# Altium PCB ie-track-kit-arduino-1-V11.PcbDoc (part 2 of 3)
Units mm, origin at the board's own origin, x right, y up, seen from the top; angles counter-clockwise.
Board outline 115 x 212.3 mm, 2 copper layers (Top Layer, Bottom Layer), stack 1.571 mm thick; 284 components, 206 nets, 1109 pads, 538 vias.
Unrouted connection lines stored in the file: 1.
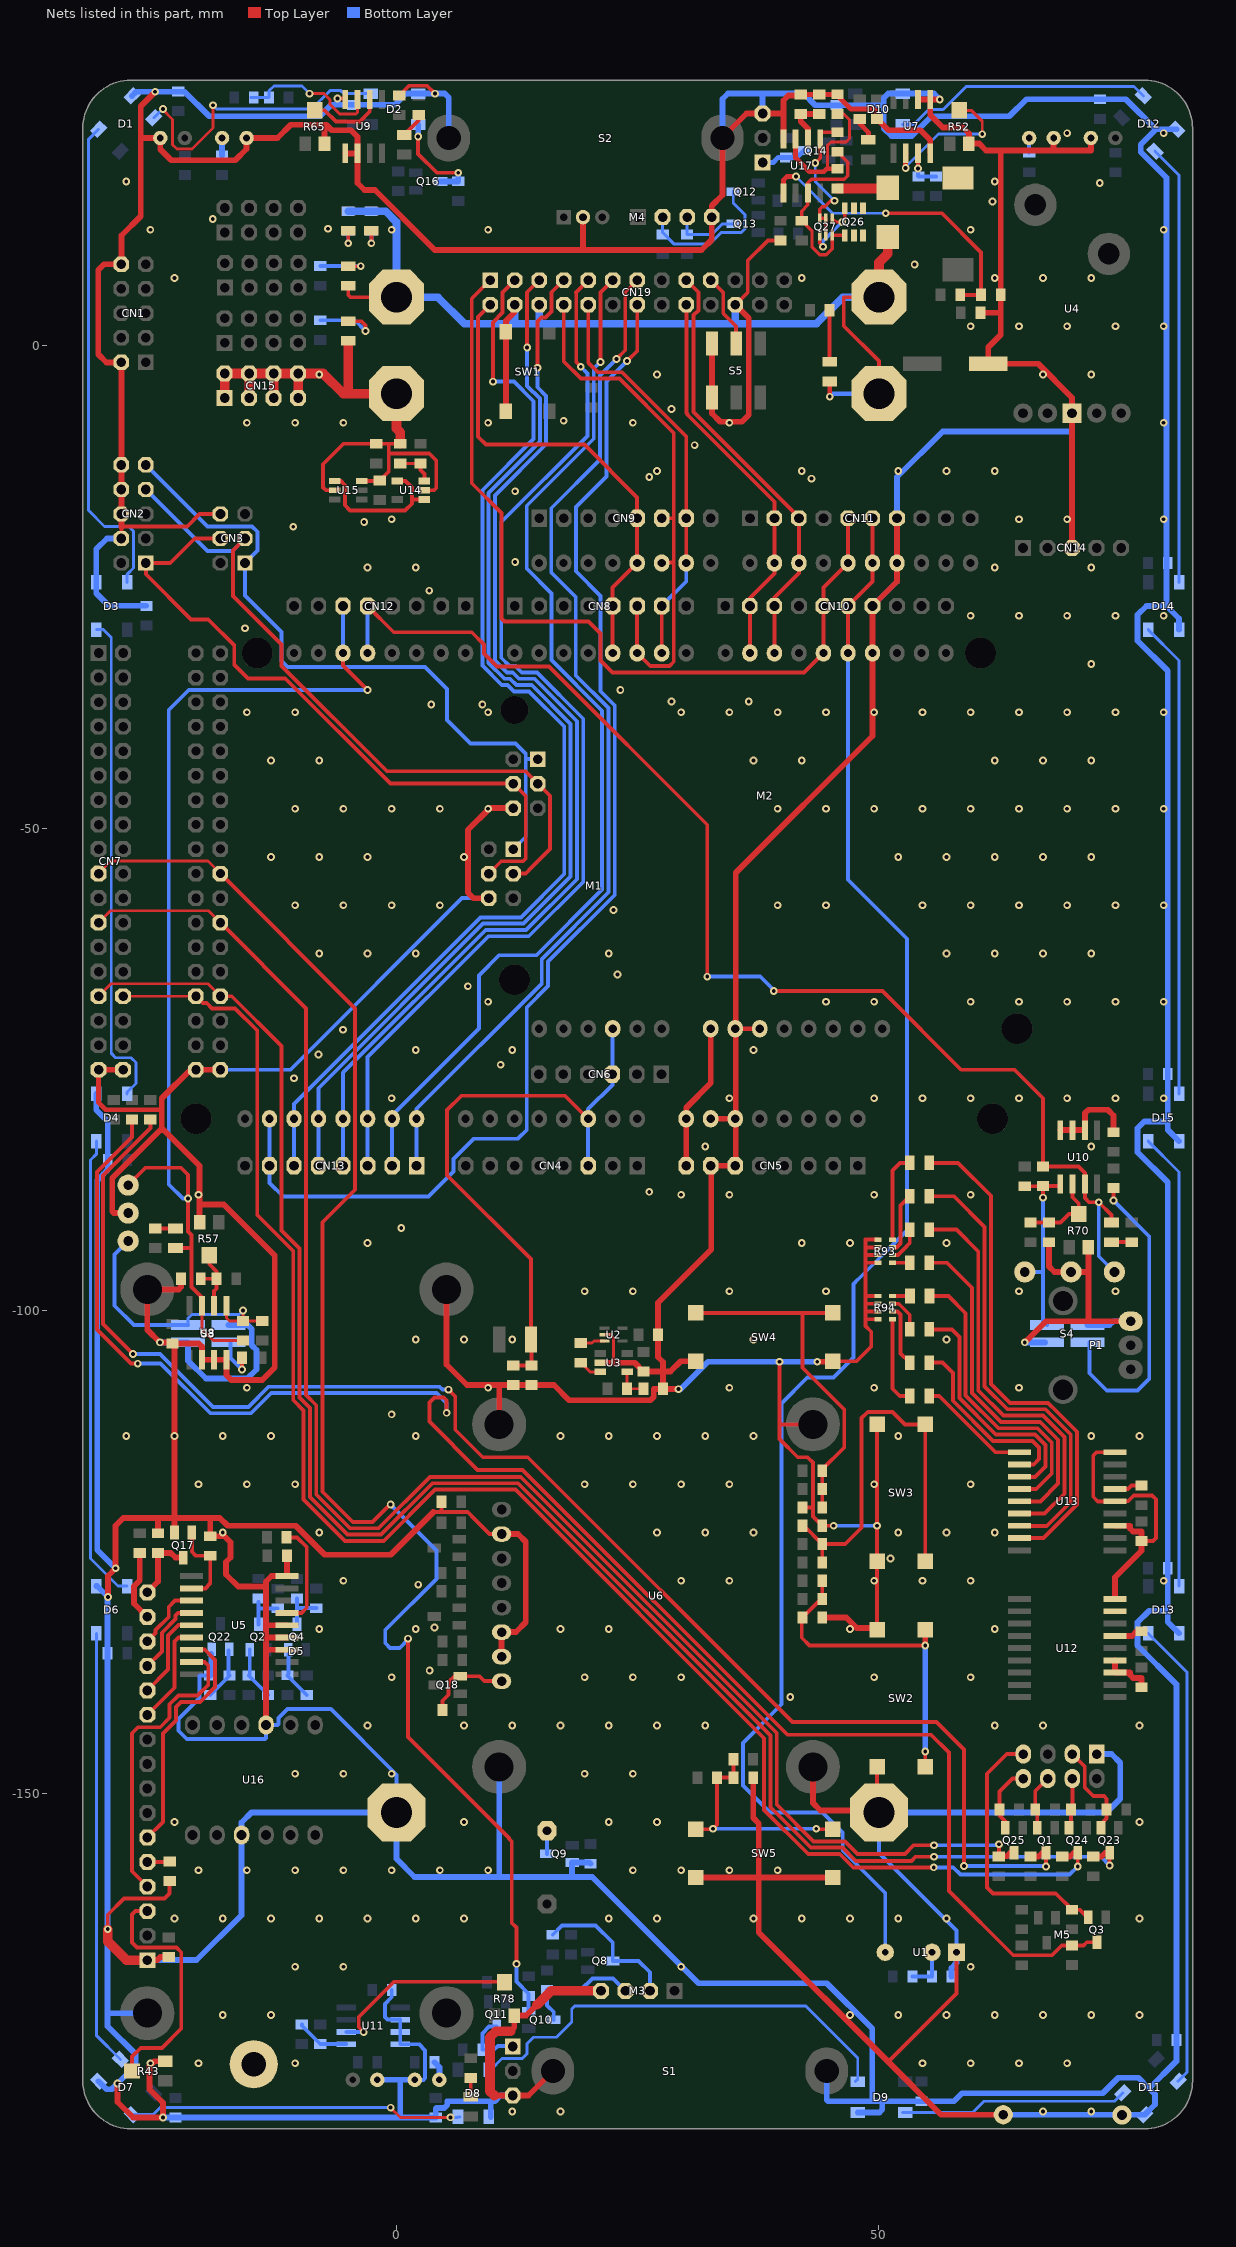
[diagram p2: the nets of this part, all layers, seen from the top]

## Via types
v1: diameter 0.8, hole 0.4, Top Layer to Bottom Layer, tented both sides, 538 vias

## Nets (pads, with @x,y where several pads share a name; then routed paths per layer and width w, separated by ;. In a path a pad name is that pad's centre, name@x,y a point inside that pad or via, vN(x,y) a via of type N, cw(c..) or ccw(c..) an arc to the next point about the centre after c; other vN are vias at no path point) (continued)
ECHO_R: CN7.19 M1.D38 Q10.2 R28.1 | length 159.3
  Top Layer w0.3: CN7.19@-30.864,-54.73 -29.566,-53.432 -19.533,-53.432 M1.D38@-18.235,-54.73
  Top Layer w0.4: M1.D38@-18.235,-54.73 -4.281,-68.684 -4.281,-87.481 -7.646,-90.846 -7.646,-109.531 -7.654,-109.539 -7.654,-118.779 -4.525,-121.908 -2.484,-121.908 -0.676,-120.1 v1(-0.6,-120.1) ; v1(1.2,-134) 1.2,-144.2 11.654,-154.654 11.654,-154.729 11.954,-155.029 11.954,-163.466 12.432,-163.945 v1(12.432,-167.7)
  Bottom Layer w0.4: v1(-0.6,-120.1) 4.146,-124.846 4.146,-127.802 -1.154,-133.102 -1.154,-134.454 -0.654,-134.954 0.346,-134.954 1.2,-134.1 v1(1.2,-134) ; v1(12.432,-167.7) 12.432,-169.532 13.7,-170.8 R28.1@13.7,-171.016 Q10.2@13.7,-172.6
EN_LEFT: CN10.3 CN11.3 CN19.17 M1.D10 M2.D10 | length 44.9
  Top Layer w0.4: CN19.17@30.04,6.77 31.294,5.516 31.294,3.642 30.8,3.148 30.8,-6.9 41.709,-17.809 CN11.3@41.709,-17.9 M2.D10@41.709,-22.54 41.709,-23.591 39.169,-26.131 CN10.3@39.169,-27 M1.D10@39.169,-31.87
EN_RIGHT: CN10.2 CN11.2 CN19.18 M1.D9 M2.D9 | length 40.9
  Top Layer w0.4: CN19.18@30.04,4.23 30.04,-7 30.146,-7.106 30.146,-7.171 39.169,-16.194 CN11.2@39.169,-17.9 M2.D9@39.169,-22.54 39.169,-23.631 36.629,-26.171 CN10.2@36.629,-27 M1.D9@36.629,-31.87
ENC_LEFT_TRACK: CN12.6 D18.2 M1.D19 R64.2 T2.0 U8.7 | length 113.2
  Top Layer w0.3: U8.7@-20.162,-99.506 -20.162,-101.938 -18.984,-103.116 R64.2@-15.9,-103.116
  Top Layer w0.4: T2.0@-27.8,-87 -26,-85.2 -22.33,-85.2 -21.6,-85.93 v1(-21.6,-88.4) -21.6,-91.8 -21.246,-92.154 -21.246,-93.564 ; D18.2@-22.9,-93.516 -21.294,-93.516 -21.246,-93.564 ; U8.7@-20.162,-99.506 -20.162,-98.638 -21.246,-97.554 -21.246,-93.564 ; M1.D19@-5.535,-31.87 -5.535,-33.161 v1(-3,-35.696)
  Bottom Layer w0.4: v1(-21.6,-88.4) -22.127,-88.4 -23.6,-86.927 -23.6,-72.375 -23.6,-37.771 -21.525,-35.696 v1(-3,-35.696) ; M1.D19@-5.535,-31.87 CN12.6@-5.535,-27
ENC_RIGHT_TRACK: CN12.5 D21.2 M1.D18 R76.2 T5.0 U10.7 | length 132.2
  Top Layer w0.4: CN12.5@-2.995,-27 -0.279,-29.716 7.809,-29.716 9.073,-30.98 9.073,-31.928 10.416,-33.271 15.803,-33.271 32.2,-49.668 v1(32.2,-65.4) ; v1(39.1,-66.9) 50.369,-66.9 58.519,-75.05 64.05,-75.05 67,-78 R76.2@67,-85.068 70.668,-85.068 71.335,-85.735 U10.7@71.335,-86.894 71.335,-88.343 71.771,-88.779 v1(72.779,-88.779) 74.1,-90.1 D21.2@74.1,-90.884
  Bottom Layer w0.4: M1.D18@-2.995,-31.87 CN12.5@-2.995,-27 ; v1(32.2,-65.4) 37.7,-65.4 v1@39.1,-66.8 ; v1(72.779,-88.779) 72.779,-94.379 T5.0@74.4,-96
FB_3V3: R106.1 R108.1 U17.5 | length 31.9
  Top Layer w0.4: v1(50.7,13.7) 56.533,13.7 60.584,9.649 R108.1@60.584,5.25 R106.1@58.416,5.25
  Top Layer w0.5: U17.5@40.095,15.806 40.095,17.145 40.45,17.5 v1(41.4,17.5)
  Bottom Layer w0.3: v1(41.4,17.5) 45.2,13.7 50.5,13.7 v1@50.7,13.9
GND: C1.1 C2.2 C3.1 C4.1 C5.2 C6.2 C7.1 C8.2 C9.1 C10.1 C11.2 C12.1 C13.1 C14.2 C15.1 C16.1 C17.1 C18.2 C19.2 C20.1 C21.1 C22.2 C23.2 C24.2 C25.2 C26.2 C27.1 C28.1 C29.1 C30.1 C31.1 C32.1 C33.2 C35.2 C36.2 C37.1 C38.1 C39.1 C40.1 CN1.2 CN1.10 CN2.4 CN2.6 CN2.8 CN2.10 CN3.6 CN5.6 CN5.7 CN7.35 CN7.36 CN10.7 CN11.7 CN14.3 CN15.1 CN15.2 CN15.3 CN15.4 CN15.5 CN15.6 CN15.7 CN15.8 CN19.4 CN19.6 CN19.22 D1.3 D2.3 D3.3 D4.3 D5.1 D6.3 D7.3 D8.3 D9.3 D10.3 D11.3 D12.3 D13.3 D14.3 D15.3 D17.2 D20.2 D23.2 D32.1 D35.2 D36.2 D37.2 M1.GND M1.P6 M1.P7 M1.PROG6 M2.GND M2.P6 M2.P7 M2.PROG6 M3.4 M4.6 M5.1 M5.9 M5.10 MH1.1 MH2.1 MH3.1 MH4.1 MH5.1 MH6.1 P1.3 pad.M3 Q9.2 Q17.2 Q19.1 Q20.1 Q21.1 Q22.2 R27.2 R38.2 R39.2 R43.2 R44.1 R47.2 R48.2 R52.2 R57.2 R61.2 R65.2 R70.2 R75.2 R78.2 R93.1 R93.2 R93.3 R93.4 R94.1 R94.2 R94.3 R94.4 R96.2 R97.2 R108.2 R109.2 R112.2 R113.2 S1.3 S2.3 S3.2 S3.4 S4.2 S4.4 S5.3 S5.6 SW1.1 SW2.2 SW3.2 SW4.2 SW5.2 T3.0 T6.0 U1.1 U2.2 U3.2 U4.1 U5.3 U5.4 U5.5 U5.9 U6.2 U6.6 U6.7 U7.4 U7.5 U7.6 U8.2 U8.3 U8.4 U9.4 U9.5 U9.6 U10.2 U10.3 U10.4 U11.2 U11.3 U11.4 U12.3 U12.4 U12.9 U13.3 U13.5 U13.9 U14.2 U15.2 U15.6 U16.4 U17.4 | length 2101.4
  Top Layer w0.3: U2.2@21.575,-102.5 22.171,-102.5 22.5,-102.829 22.5,-105.4
  Top Layer w0.4: v1(-29.912,-164.1) -29.912,-162.612 -28.24,-160.94 -24.04,-160.94 -23.5,-160.4 R44.1@-23.5,-159.119 ; CN2.4@-28.5,-20 -28.5,-18.8 -28.446,-18.746 -21.676,-18.746 -20.39,-17.46 CN3.6@-18.235,-17.46 ; U15.2@-6.4,-15 -7.3,-15 -7.6,-14.7 -7.6,-12.3 -5.484,-10.184 C35.2@-2.1,-10.184 R96.2@0.4,-10.184 ; v1(-6.1,25.6) -5.411,25.6 U9.4@-5.305,25.494 ; D36.2@-5,6.184 -5,5.223 -4.777,5 MH6.1@0,5 ; U15.6@-3.6,-14.05 -1.807,-14.05 C33.2@-1.741,-13.984 -0.8,-13.043 -0.8,-11.2 ; -0.8,-10.325 -0.8,-11.2 ; C24.2@0.3,25.916 1.303,26.919 3.181,26.919 v1(4,26.1) ; U14.2@2.9,-15 3.9,-15 4.13,-14.77 4.13,-11.93 3.4,-11.2 -0.8,-11.2 ; 3.811,-120.889 4.684,-120.889 ; C17.1@4.684,-119.8 4.684,-120.889 ; U6.2@10.9,-123.16 9.652,-123.16 8.146,-121.654 8.146,-121.645 7.39,-120.889 4.684,-120.889 ; CN19.22@35.12,4.23 36.4,5.51 36.4,8.8 38.484,10.884 C38.1@39.8,10.884 ; v1(39.7,-105.3) 39.7,-111.8 ; C31.1@42.084,-120.4 43.154,-120.4 ; 43.15,-111.79 39.71,-111.79 39.7,-111.8 ; SW4.2@45.2,-105.25 47.662,-105.25 49.2,-103.712 49.2,-102.2 48.6,-101.6 48.6,-100.9 ; v1(45.3,-122.3) C28.1@44.116,-122.3 43.154,-121.338 43.154,-120.4 ; 48.654,-95.046 49.894,-95.046 R93.4@49.898,-95.05 ; SW3.2@49.754,-111.744 SW3.2@49.8,-111.79 SW2.2@49.8,-133.09 ; MH2.1@49.8,-151.8 SW2.2@49.8,-147.29 ; R94.4@49.898,-100.9 48.6,-100.9 ; R94.3@49.898,-100.1 48.6,-100.1 ; R94.2@49.898,-99.3 48.6,-99.3 ; R94.1@49.898,-98.5 48.6,-98.5 ; R93.3@49.898,-94.25 48.6,-94.25 ; R93.2@49.898,-93.45 48.6,-93.45 ; R93.1@49.898,-92.65 48.6,-92.65 48.6,-93.45 ; MH3.1@50,-5 50,-1.616 46.35,2.034 46.35,5 MH4.1@50,5 ; 50.95,-177.85 58.04,-170.76 U1.1@58.04,-166.5 ; U13.5@74.453,-119.77 72.67,-119.77 72.2,-119.3 72.2,-115.04 72.55,-114.69 U13.9@74.453,-114.69 ; U13.5@74.453,-119.76 75.8,-119.76 76.4,-119.16 78.3,-119.16 78.7,-119.56 78.7,-123.56 78.384,-123.876 C29.1@77.2,-123.876 ; 39.7,-111.8 39.7,-113.315 41.585,-115.2 42.6,-115.2 43.154,-115.754 43.154,-120.4 ; 48.6,-100.9 48.6,-100.1 ; 48.6,-100.1 48.6,-99.3 ; 48.6,-99.3 48.6,-98.5 ; 48.6,-98.5 48.6,-94.25 ; 48.6,-94.25 48.6,-93.45
  Top Layer w0.5: CN7.35@-30.864,-75.05 -30.864,-78.476 -30.144,-79.196 -29.904,-79.196 -29.9,-79.2 -24.311,-79.2 ; M2.P7@35.105,-70.8 35.16,-70.8 M2.P6@37.645,-70.8 ; R109.2@41.9,26.016 C40.1@43.8,26.016 45.8,26.016 45.8,25.8 47.1,24.5 49.5,24.5 49.8,24.2 C22.2@49.8,23.484 ; v1(44.9,-5.3) D37.2@44.9,-3.716
  Top Layer w0.6: CN7.35@-30.864,-75.05 CN7.36@-28.324,-75.05 ; v1(-29.9,-129.686) -29.9,-127.5 v1(-29.1,-126.7) -29.1,-122.3 -28.3,-121.5 -24.8,-121.5 ; v1(-28.9,-180.1) -28.9,-182 -27.284,-183.616 v1(-24.2,-183.616) -24.2,-182.1 -25.6,-180.7 -25.6,-178.3 -25.1,-177.8 R43.2@-23.95,-177.8 ; -28.5,-18.8 CN2.6@-28.5,-17.46 CN2.8@-28.5,-14.92 CN2.10@-28.5,-12.38 -28.5,-1.766 CN1.2@-28.516,-1.75 ; CN1.2@-28.5,-1.75 CN1.2@-28.516,-1.75 ; T3.0@-27.8,-89.9 -29.3,-89.9 -29.454,-89.746 -29.454,-86.272 -24.471,-81.289 -24.311,-81.289 ; D5.1@-25.816,-167.306 -24.776,-167.306 -24.47,-167 C9.1@-23.6,-167 ; v1(-25,26.3) -26.5,24.8 -26.5,21.5 ; R47.2@-24.7,-123.084 -24.7,-121.6 -24.8,-121.5 ; Q17.2@-23,-123 -23,-121.5 ; R61.2@-22.316,-96.7 -22.316,-97.554 -22.568,-97.806 -25.816,-97.806 -25.816,-101.984 v1(-24.5,-103.3) -23.316,-103.3 C23.2@-23.2,-103.416 ; R57.2@-20.527,-90.625 -20.4,-90.498 -20.4,-89 ; M1.GND@-18.235,-75.05 M1.GND@-20.775,-75.05 -21.35,-75.05 -24.311,-78.011 -24.311,-79.2 -24.311,-81.089 -20.4,-85 -20.4,-89 ; U16.4@-13.511,-142.941 -13.511,-135.2 ; U5.3@-11.347,-135.14 -13.451,-135.14 -13.511,-135.2 ; U5.4@-11.347,-133.87 -13.511,-133.87 ; U5.5@-11.347,-132.6 -13.511,-132.6 ; C12.1@-11.347,-125.4 U5.9@-11.347,-127.52 -12.952,-127.52 -13.511,-128.079 -13.511,-128.7 ; R65.2@-7.452,20.919 -7.452,22.686 -7.269,22.869 ; U9.5@-5.305,19.906 U9.6@-4.035,19.906 ; 3.811,-120.889 -0.6,-125.3 -7.434,-125.3 -10.423,-122.311 -17.489,-122.311 -18.3,-121.5 -19.3,-121.5 ; 5.184,-97.806 5.184,-105.584 7.316,-107.716 10.7,-107.716 ; M1.PROG6@9.578,-57.27 7.99,-57.27 7.4,-56.68 7.4,-50.2 9.66,-47.94 M2.PROG6@12.118,-47.94 ; 10.14,-181.34 S1.3@12.054,-181.34 13.675,-181.34 16.215,-178.8 ; 10.65,-111.79 10.65,-107.766 10.7,-107.716 ; U6.7@10.9,-135.86 U6.6@10.9,-133.32 12.38,-133.32 13.4,-132.3 13.4,-123.96 12.6,-123.16 U6.2@10.9,-123.16 ; SW1.1@11.35,-6.825 SW1.1@11.35,1.425 11.35,2.571 12.26,3.481 CN19.4@12.26,4.23 ; 11.82,-174.68 12.2,-174.3 R78.2@12.2,-173.05 13.45,-173.05 14.55,-171.95 ; M4.6@19.333,13.3 19.333,9.9 ; U3.2@21.1,-105.4 22.5,-105.4 24.684,-105.4 C3.1@25.6,-106.316 27.632,-106.316 ; v1(29.222,-108.144) R39.2@27.588,-108.144 ; SW5.2@31,-158.75 37.546,-158.75 ; SW4.2@31,-105.25 29.45,-105.25 28.384,-106.316 27.632,-106.316 ; M1.P7@32.565,-80.13 M1.P6@35.105,-80.13 M1.P6@35.16,-80.13 ; S5.6@32.7,0.2 S5.3@32.7,-5.4 32.7,-7.055 33.545,-7.9 35.8,-7.9 36.5,-7.2 36.5,2.85 CN19.22@35.12,4.23 ; C32.1@36.97,-148.4 36.97,-152.57 37.546,-153.146 37.546,-158.75 ; U17.4@40.095,21.394 40.095,24.2 ; R109.2@41.9,26.016 41.784,25.9 40.6,25.9 40.095,25.395 40.095,24.2 ; 43.15,-147.29 43.15,-151 43.95,-151.8 MH2.1@49.8,-151.8 ; v1(43.6,-105.3) 45.15,-105.3 SW4.2@45.2,-105.25 ; C27.1@44.116,-131.8 46.6,-131.8 47.7,-132.9 49.61,-132.9 SW2.2@49.8,-133.09 ; SW5.2@45.2,-158.75 37.546,-158.75 ; SW3.2@49.69,-126.1 SW3.2@49.8,-125.99 ; C22.2@49.8,23.484 50.984,22.3 54.3,22.3 55.305,21.295 U7.4@55.305,19.906 ; CN11.7@51.869,-17.9 M2.GND@51.869,-22.54 51.869,-24.46 CN10.7@49.329,-27 M1.GND@49.329,-31.87 49.329,-40.471 35.16,-54.64 35.16,-70.8 M1.P6@35.16,-80.13 ; U7.6@54.035,25.494 U7.5@55.305,25.494 ; v1(56.294,25.494) U7.5@55.305,25.494 ; C37.1@60.516,3.4 62.546,3.4 62.616,3.33 ; M5.9@62.88,-183.335 56.435,-183.335 50.95,-177.85 37.546,-164.446 37.546,-158.75 ; v1(65.1,-103.3) 67.3,-101.1 71.6,-101.1 ; 67.6,-95.4 68.2,-96 71.7,-96 ; 67.62,-95.38 R75.2@67.62,-92.916 ; D17.2@68.1,21.5 68.1,20.196 ; U10.4@68.795,-81.306 U10.3@70.065,-81.306 U10.2@71.335,-81.306 71.335,-79.565 71.7,-79.2 73.7,-79.2 74.3,-79.8 C25.2@74.3,-81.519 ; CN14.3@70.01,-20.98 U4.1@70.01,-7.01 70.01,-5.41 66.5,-1.9 C36.2@61.329,-1.9 61.329,-0.171 62.616,1.116 62.616,3.33 ; R70.2@71.7,-93.45 71.7,-96 ; Q19.1@71.96,21.5 71.96,20.196 68.1,20.196 ; U12.4@74.453,-136.25 U12.3@74.453,-137.52 76.011,-137.52 76.011,-137.737 76.336,-138.062 77.2,-138.062 C30.1@77.2,-139.032 ; U12.9@74.453,-129.9 74.453,-127.647 77.2,-124.9 C29.1@77.2,-123.876 77.2,-122.906 76.336,-122.906 76.011,-122.581 76.011,-122.3 U13.3@74.453,-122.3 ; P1.3@76.08,-101.1 71.6,-101.1 ; CN1.2@-28.516,-1.75 -30.05,-1.75 -30.9,-0.9 -30.9,7.81 -30.3,8.41 CN1.10@-28.5,8.41 -28.5,11.4 -26.5,13.4 -26.5,21.5 ; -26.5,21.5 Q20.1@-24.47,21.5 -24.47,20.338 -23.332,19.2 -16.7,19.2 -15.53,20.37 D20.2@-15.53,21.5 -12.316,21.5 -10.947,22.869 -7.269,22.869 ; -24.8,-121.5 -23,-121.5 ; C23.2@-23.2,-103.416 -23,-103.616 -23,-121.5 ; C23.2@-23.2,-103.416 -20.484,-103.416 -20.162,-103.738 U8.2@-20.162,-105.094 U8.3@-18.892,-105.094 U8.4@-17.622,-105.094 -17.622,-106.7 -17.122,-107.2 -13.9,-107.2 -12.6,-105.9 -12.6,-94.3 -17.9,-89 -20.4,-89 ; -23,-121.5 -19.3,-121.5 ; -19.3,-121.5 R48.2@-19.3,-123.384 -17.816,-123.384 -17.2,-124 -17.2,-125.601 -17.654,-126.055 -17.654,-127.346 -16.4,-128.6 -13.611,-128.6 -13.511,-128.7 ; -13.511,-135.2 -13.511,-133.87 ; -13.511,-133.87 -13.511,-132.6 ; -13.511,-132.6 -13.511,-128.7 ; -7.269,22.869 -6.7,22.3 -4.708,22.3 -4.035,21.627 U9.6@-4.035,19.906 ; U9.6@-4.035,19.906 -4.035,16.835 -3.3,16.1 -2.224,16.1 3.405,10.471 3.976,9.9 19.333,9.9 ; 10.7,-107.716 R38.2@12.1,-107.716 C4.1@14,-107.716 16.316,-107.716 17.889,-109.289 26.337,-109.289 26.662,-108.964 26.662,-108.144 R39.2@27.588,-108.144 ; 19.333,9.9 31.6,9.9 32.668,10.968 M4.6@32.668,13.3 32.668,14.467 33.785,15.585 33.785,21.5 33.785,21.558 36.267,24.04 S2.3@37.946,24.04 39.935,24.04 40.095,24.2 ; R39.2@27.588,-108.144 R39.2@27.632,-108.1 27.632,-106.316 ; 27.632,-106.316 27.632,-105.332 27.116,-104.816 C2.2@27.116,-102.5 27.116,-99.184 32.62,-93.68 32.62,-85 CN5.6@35.105,-85 35.16,-85 M1.P6@35.16,-80.13 ; U7.5@55.305,25.494 55.305,23.895 56.6,22.6 58.7,22.6 59.321,21.979 R52.2@59.321,20.919 60.381,20.919 61.104,20.196 62.616,20.196 ; 62.616,3.33 R108.2@62.616,5.25 62.616,17 62.616,20.196 ; 62.616,20.196 68.1,20.196 ; 71.6,-101.1 71.7,-101 71.7,-96
  Top Layer w1: v1(-29.912,-164.1) -29.912,-165.388 -27.994,-167.306 D5.1@-25.816,-167.306 ; CN15.1@-17.8,-5.44 CN15.2@-17.8,-2.9 CN15.4@-15.26,-2.9 ; CN15.3@-15.26,-5.44 CN15.4@-15.26,-2.9 ; CN15.5@-12.72,-5.44 CN15.6@-12.72,-2.9 ; CN15.7@-10.18,-5.44 CN15.8@-10.18,-2.9 ; D35.2@-5,0.484 -5,-4.5 -5.5,-5 ; R96.2@0.4,-10.184 0.4,-9 0,-8.6 MH5.1@0,-5 -5.5,-5 ; 10.14,-181.34 9.7,-180.9 9.7,-175.3 10.319,-174.68 11.82,-174.68 ; 14.55,-171.95 16,-170.5 M3.4@21.19,-170.5 ; MH4.1@50,5 50,8.6 50.9,9.5 D32.1@50.9,11.26 ; CN15.4@-15.26,-2.9 CN15.6@-12.72,-2.9 ; CN15.6@-12.72,-2.9 CN15.8@-10.18,-2.9 ; CN15.8@-10.18,-2.9 -7.6,-2.9 -5.5,-5
  Bottom Layer w0.4: R97.2@-19.3,-137.809 -20.316,-137.809 -20.389,-137.882 -20.389,-140.143 -22.585,-142.338 -22.585,-143.543 -21.733,-144.395 -21.505,-144.395 -21.5,-144.4 -13.6,-144.4 -13.511,-144.311 U16.4@-13.511,-142.941 -12.31,-142.941 -12.225,-142.855 -12.225,-142.221 -11.303,-141.3 -6.8,-141.3 0,-148.1 MH1.1@0,-152 ; M1.GND@-18.235,-75.05 -10.98,-75.05 6.8,-57.27 M1.PROG6@9.578,-57.27 ; C26.2@-0.484,-170.4 -0.484,-171.147 -1.192,-171.855 -1.192,-173.208 -0.919,-173.481 U11.2@0.394,-173.481 U11.3@0.394,-174.751 U11.4@0.394,-176.021 2.321,-176.021 2.97,-176.67 2.97,-179.554 2.809,-179.715 D23.2@1.907,-179.715 ; v1(45.3,-122.3) v1(49.8,-122.3) ; MH2.1@50,-152 50,-156.2 58.04,-164.24 U1.1@58.04,-166.5
  Bottom Layer w0.5: v1(44.9,-5.3) 45.2,-5 MH3.1@50,-5
  Bottom Layer w0.6: D6.3@-31.1,-128.55 -31.036,-128.55 v1(-29.9,-129.686) ; D4.3@-31.1,-77.55 -31.1,-79.23 -29.916,-80.414 C8.2@-29.916,-84.4 -29.916,-85.408 -30.354,-85.846 -30.354,-85.854 -30.996,-86.496 -30.996,-124.804 v1(-29.1,-126.7) ; D7.3@-30.864,-179.861 -30.032,-180.693 -29.493,-180.693 v1(-28.9,-180.1) -27.016,-178.216 -27.016,-177.068 -29.932,-174.152 -29.932,-172.806 ; v1@-29.932,-129.718 C10.1@-29.932,-135.5 -29.932,-164.1 -29.932,-172.806 ; CN2.4@-28.5,-20 -30,-20 -31.1,-21.1 D3.3@-31.1,-24.55 -31.1,-25.668 -29.8,-26.968 C7.1@-25.96,-26.968 ; D1.3@-27.399,25.864 -26.963,26.3 v1(-25,26.3) -21.949,26.3 -19.403,23.754 -7.946,23.754 -6.746,24.954 -6.1,24.954 ; -25.816,-172.806 -29.932,-172.806 ; D5.1@-25.816,-167.306 -20.706,-167.306 -16.051,-162.651 U16.4@-16.051,-154.341 -16.051,-153.051 -15,-152 MH1.1@0,-152 0,-156.816 1.884,-158.7 10.7,-158.7 ; v1(-24.5,-103.3) S3.4@-21.8,-103.3 ; v1(-24.2,-183.616) C11.2@-22.9,-183.616 0.4,-183.616 ; S3.4@-21.6,-103.3 -21.6,-105.2 -19.746,-107.054 -15.454,-107.054 -14.5,-106.1 -14.5,-104.1 -15,-103.6 -15,-101.9 -15.4,-101.5 S3.2@-17.4,-101.5 ; R97.2@-19.3,-137.809 -19.2,-137.709 Q22.2@-19.2,-135.6 ; v1(-6.1,25.6) -6.1,24.954 ; Q21.1@-1.979,-179.715 0.5,-179.715 ; D23.2@1.846,-179.776 D23.2@1.907,-179.715 0.5,-179.715 ; 5.415,21.5 5.415,25.685 5,26.1 v1(4,26.1) D2.3@2.25,26.1 1,26.1 -0.146,24.954 -6.1,24.954 ; D8.3@9.781,-183.562 9.781,-182.051 9.9,-181.932 ; 10.65,-147.29 10.65,-158.65 10.7,-158.7 ; S1.3@12.054,-181.34 10.768,-181.34 10.176,-181.932 9.9,-181.932 ; R27.2@20.1,-157.316 19.984,-157.2 Q9.2@18.2,-157.2 18.2,-158.619 18.119,-158.7 ; v1(29.222,-108.144) 29.443,-108.144 32.288,-105.3 v1(39.7,-105.3) v1(43.6,-105.3) ; 33.785,21.5 33.785,25.531 34.354,26.1 37.946,26.1 ; S2.3@37.946,24.04 37.946,26.1 ; 44.585,-178.8 44.585,-181.785 44.732,-181.932 49.3,-181.932 ; D9.3@47.8,-183.1 50.045,-183.1 50.345,-182.8 50.345,-181.932 ; CN10.7@49.329,-27 51.869,-24.46 M2.GND@51.869,-22.54 CN11.7@51.869,-17.9 51.869,-13.631 56.6,-8.9 69.8,-8.9 70.01,-8.69 U4.1@70.01,-7.01 ; MH2.1@50,-152 73.6,-152 75,-150.6 75,-146.86 74.1,-145.96 M5.1@72.58,-145.96 ; v1(56.294,25.494) 55.688,26.1 D10.3@52.45,26.1 50.954,26.1 50.5,25.646 50.5,24.9 ; C1.1@57.516,-169 57.516,-168.113 58.04,-167.589 U1.1@58.04,-166.5 ; M5.9@62.88,-183.335 62.889,-183.326 D11.3@77.535,-183.326 78.596,-182.265 78.596,-181.212 77.992,-180.608 ; v1(65.1,-103.3) S4.4@67.2,-103.3 ; S4.2@71.6,-101.5 73.9,-101.5 74.3,-101.1 P1.3@76.08,-101.1 ; D12.3@80.864,22.399 78.701,22.399 ; D13.3@81.1,-133.45 79.916,-132.266 79.916,-131.1 ; D15.3@81.1,-82.45 79.916,-81.266 79.916,-80.4 ; D14.3@81.1,-29.45 81.1,-28.284 79.8,-26.984 ; 0.4,-183.616 C13.1@4.084,-183.616 4.084,-182.7 4.138,-182.646 4.948,-182.646 5.273,-182.321 5.273,-181.941 5.282,-181.932 9.9,-181.932 ; 0.4,-183.616 0.4,-179.815 0.5,-179.715 ; 10.7,-158.7 18.119,-158.7 ; 18.119,-158.7 20.3,-158.7 31.3,-169.7 44.6,-169.7 49.3,-174.4 49.3,-181.932 ; 37.946,26.1 42.194,26.1 43.394,24.9 50.5,24.9 ; 49.3,-181.932 50.345,-181.932 ; 50.345,-181.932 C14.2@54.409,-181.932 57.768,-181.932 58.6,-181.1 73.2,-181.1 74.8,-179.5 76.884,-179.5 77.992,-180.608 ; 50.5,24.9 50.5,22.5 51.3,21.7 53.4,21.7 55.449,23.749 63.509,23.749 65.276,25.516 C15.1@72.9,25.516 75.584,25.516 78.701,22.399 ; 77.992,-180.608 80.816,-177.784 C16.1@80.816,-175.6 80.816,-138.716 76.796,-134.696 76.796,-132.304 78,-131.1 79.916,-131.1 ; 78.701,22.399 77.128,20.826 77.128,20.048 79.8,17.376 79.8,-26.984 ; 79.8,-26.984 77.716,-26.984 76.796,-27.904 76.796,-30.596 79.916,-33.716 79.916,-38 79.916,-58 C21.1@79.916,-75.5 79.916,-80.4 ; 79.916,-131.1 C19.2@79.916,-126.7 79.916,-86.716 76.796,-83.596 76.796,-81.104 77.5,-80.4 79.916,-80.4
  Bottom Layer w0.8: R113.2@-5,13.916 R112.2@-2.6,13.916 -1.116,13.916 0,12.8 MH6.1@0,5 4.3,5 7.05,2.25 12.25,2.25 12.26,2.24 12.26,2.25 ; CN19.4@12.26,4.23 12.26,2.25 ; CN19.6@14.8,4.23 14.8,2.3 14.75,2.25 ; CN19.22@35.12,4.23 35.12,2.25 ; MH4.1@50,5 46.27,5 43.52,2.25 35.12,2.25 ; 12.26,2.25 14.75,2.25 ; 14.75,2.25 35.12,2.25
  other v1: 12,-183 17,-183 67,-183 72,-183 -25.5,-178 -20.5,-178 -10.5,-178 54.5,-178 59.5,-178 64.5,-178 69.5,-178 -18,-173 -13,-173 47,-173 52,-173 57,-173 62,-173 67,-173 72,-173 77,-173 -10.5,-168 -5.5,-168 29.5,-168 59.5,-168 -23,-163 -18,-163 -13,-163 -8,-163 -3,-163 2,-163 7,-163 22,-163 27,-163 37,-163 42,-163 47,-163 52,-163 57,-163 77,-163 -20.5,-158 -15.5,-158 -10.5,-158 -5.5,-158 -0.5,-158 4.5,-158 9.5,-158 24.5,-158 29.5,-158 34.5,-158 39.5,-158 -23,-153 7,-153 22,-153 27,-153 77,-153 -10.5,-148 -5.5,-148 -0.5,-148 19.5,-148 24.5,-148 -3,-143 7,-143 12,-143 17,-143 22,-143 27,-143 32,-143 62,-143 67,-143 77,-143 40.8,-140.037 -0.5,-138 19.5,-138 24.5,-138 29.5,-138 49.5,-138 59.5,-138 3.437,-137.3 -8,-133 2,-133 17,-133 22,-133 47,-133 62,-133 3.955,-132.85 2.266,-128.4 -5.5,-128 29.5,-128 34.5,-128 49.5,-128 54.5,-128 59.5,-128 79.5,-128 51.2,-125.7 -18,-123 -8,-123 27,-123 32,-123 37,-123 52,-123 57,-123 62,-123 -20.5,-118 -15.5,-118 -10.5,-118 19.5,-118 24.5,-118 29.5,-118 34.5,-118 49.5,-118 59.5,-118 -28,-113 -23,-113 -18,-113 -13,-113 2,-113 17,-113 22,-113 27,-113 32,-113 37,-113 52,-113 72,-113 77,-113 -0.5,-110.757 -15.5,-108 9.5,-108 34.5,-108 49.5,-108 64.5,-108 2,-103 7,-103 12,-103 37,-103 57,-103 19.5,-98 24.5,-98 34.5,-98 44.5,-98 64.5,-98 74.5,-98 -3,-93 42,-93 47,-93 57,-93 0.5,-91.44 -20.5,-88 29.5,-88 34.5,-88 49.5,-88 59.5,-88 26.2,-87.7 32,-83 72,-83 -0.5,-78 34.5,-78 49.5,-78 54.5,-78 59.5,-78 64.5,-78 69.5,-78 74.5,-78 79.5,-78 -10.615,-75.936 10.8,-74.525 -8.075,-73.469 2,-73 12,-73 37,-73 -5.535,-70.9 9.5,-68 44.5,-68 49.5,-68 59.5,-68 64.5,-68 69.5,-68 74.5,-68 79.5,-68 7.4,-66.4 22.9,-65.171 -8,-63 -3,-63 2,-63 22,-63 57,-63 62,-63 67,-63 72,-63 22.5,-58.5 -10.5,-58 -5.5,-58 -0.5,-58 4.5,-58 39.5,-58 44.5,-58 54.5,-58 59.5,-58 64.5,-58 69.5,-58 74.5,-58 79.5,-58 -13,-53 -8,-53 -3,-53 7,-53 52,-53 57,-53 62,-53 67,-53 72,-53 -10.5,-48 -5.5,-48 -0.5,-48 4.5,-48 9.5,-48 39.5,-48 44.5,-48 49.5,-48 54.5,-48 59.5,-48 64.5,-48 69.5,-48 74.5,-48 79.5,-48 -13,-43 -8,-43 37,-43 42,-43 62,-43 67,-43 72,-43 -15.5,-38 -10.5,-38 9.5,-38 29.5,-38 34.5,-38 39.5,-38 44.5,-38 49.5,-38 54.5,-38 59.5,-38 64.5,-38 69.5,-38 74.5,-38 79.5,-38 3.6,-37.2 8.9,-37.2 28.5,-36.9 36.5,-36.9 23.2,-35.7 72,-33 -15.7,-29.3 59.5,-28 64.5,-28 69.5,-28 74.5,-28 79.5,-28 3.4,-25.4 -3,-23 2,-23 62,-23 72,-23 12.3,-22.44 -10.7,-18.787 -3.35,-18.3 -0.5,-18 64.5,-18 69.5,-18 79.5,-18 12.3,-15.1 43,-13.8 26.2,-13.622 27,-13 42,-13 52,-13 57,-13 62,-13 30.9,-10.328 -15.5,-8 -10.5,-8 -5.5,-8 9.5,-8 24.5,-8 34.5,-8 79.5,-8 17.325,-7.8 28.5,-6.575 -8,-3 27,-3 67,-3 72,-3 59.5,2 64.5,2 69.5,2 74.5,2 79.5,2 -23,7 42,7 62,7 67,7 72,7 53.7,8.4 -25.5,12 -0.5,12 9.5,12 59.5,12 79.5,12 -7.1,12.1 -19.035,13.1 61.775,14.91 72.876,16.837 -28,17 62,17 69.5,22 79.5,22
IR_IN: CN10.6 CN11.6 M1.D13 M2.D13 U1.3 | length 170.1
  Top Layer w0.4: M1.D13@46.789,-31.87 CN10.6@46.789,-27 49.329,-24.46 M2.D13@49.329,-22.54 CN11.6@49.329,-17.9
  Bottom Layer w0.4: M1.D13@46.789,-31.87 46.789,-55.364 52.9,-61.475 52.9,-91.708 47.854,-96.754 47.846,-96.754 47.346,-97.254 47.346,-104.879 45.271,-106.954 42.571,-106.954 39.9,-109.625 39.9,-110.438 39.896,-110.442 39.896,-113.138 39.9,-113.142 39.9,-140.8 35.9,-144.8 35.9,-149.2 38.7,-152 44.15,-152 46.25,-154.1 46.25,-155.95 50.648,-160.348 U1.3@50.648,-166.5
LD1: CN13.1 CN19.13 M1.A8 | length 106.2
  Top Layer w0.4: v1(22.8,-1.4) 23.706,-0.494 23.706,5.516 CN19.13@24.96,6.77
  Bottom Layer w0.4: CN13.1@2.085,-85 M1.A8@2.085,-80.13 2.085,-79.087 15.064,-66.108 15.064,-63.565 21.97,-56.659 21.97,-37.575 18.579,-34.184 18.579,-26.079 16.039,-23.539 16.039,-16.861 21.097,-11.803 21.097,-3.103 v1(22.8,-1.4)
LD2: CN13.2 CN19.11 M1.A9 | length 110